# Altium PCB DB31.PcbDoc (part 2 of 8) (continued)
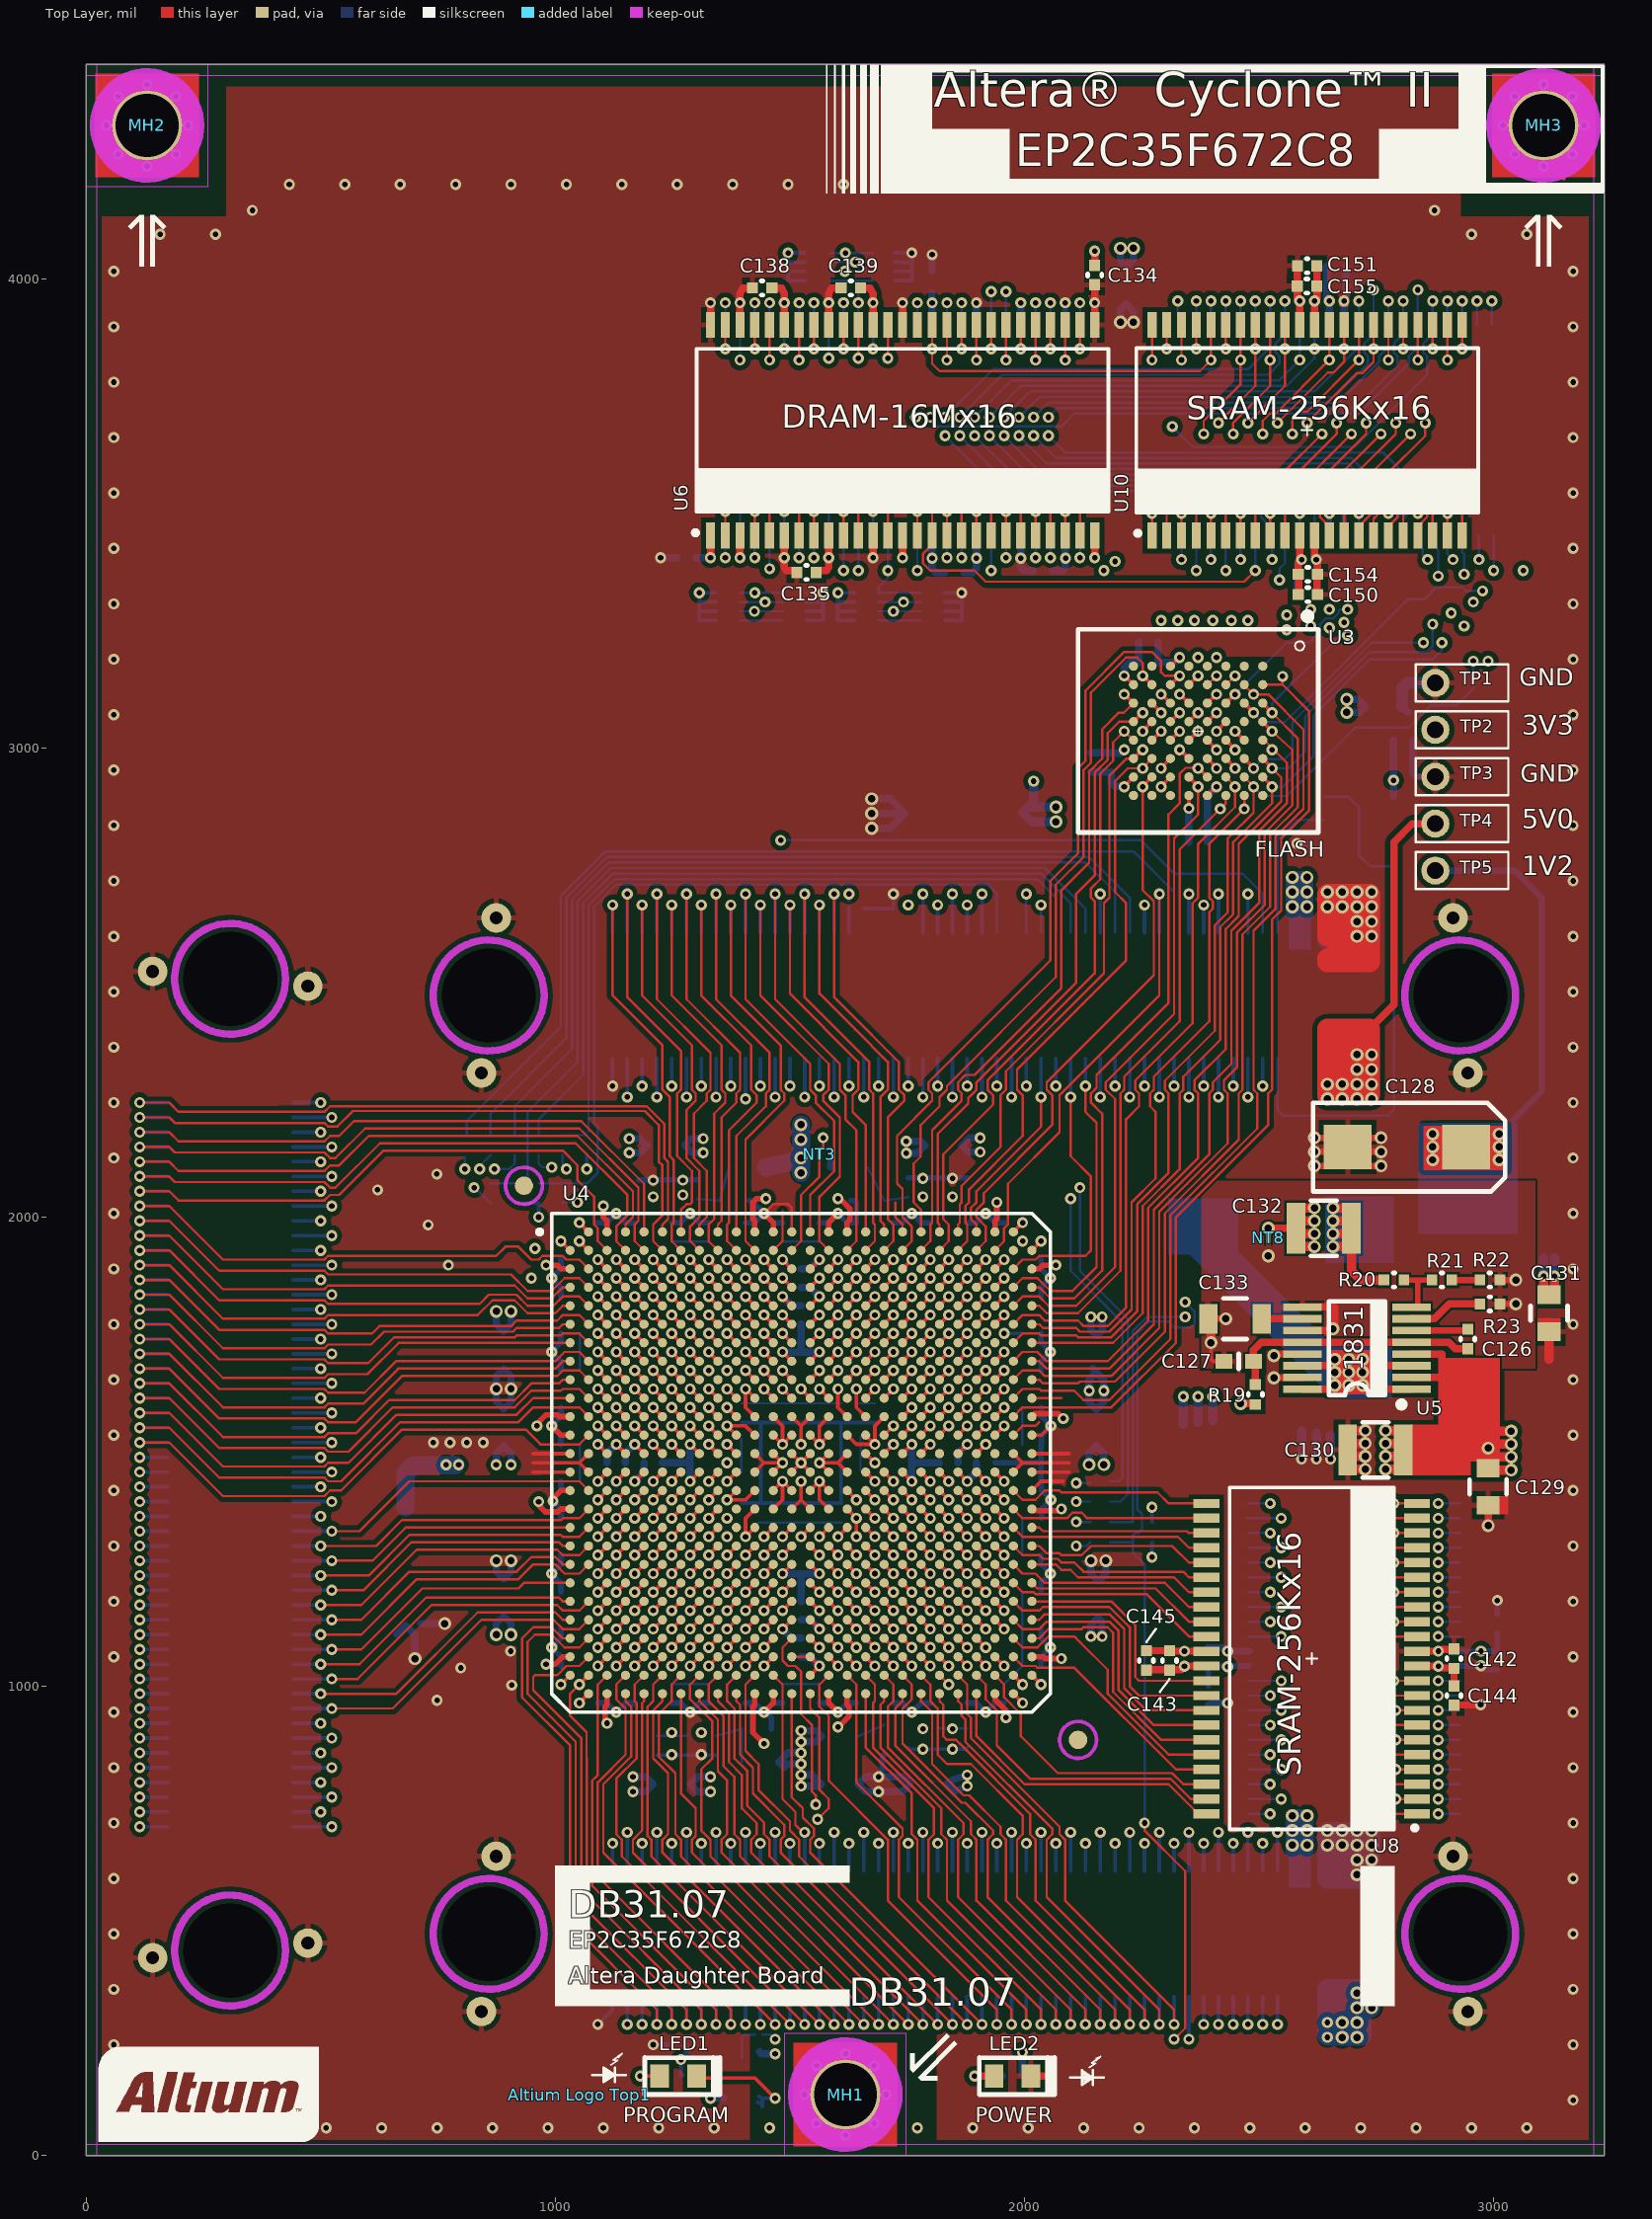
[diagram p0: Top Layer view]
## Nets (pads, with @x,y where several pads share a name; then routed paths per layer and width w, separated by ;. In a path a pad name is that pad's centre, name@x,y a point inside that pad or via, vN(x,y) a via of type N, cw(c..) or ccw(c..) an arc to the next point about the centre after c; other vN are vias at no path point) (continued)
  Bottom Layer w27.56: 2570.87,645.67 v3(2570.87,661.42) v3(2570.87,692.91) v3(2570.87,724.41) v3(2602.37,724.41) v3(2602.37,692.91) v3(2602.37,661.42) 2602.36,645.67 ; 2570.87,2645.67 v3(2570.87,2724.41) v3(2602.36,2724.41) 2602.36,2645.67 ; 2586.62,645.67 2586.62,724.41 ; 2586.61,2645.67 2586.61,2724.41
  Bottom Layer w39.37: C99.1@681.1,1381.89 681.1,1454.1 698,1471 v1@787.32,1471
  other v1: 1602.36,913.39 2341,1075 767.24,1472.44 794.02,1472.44 1940.94,2031.5 2291.34,2917.32 2409.45,2917.32 2330.71,3192.91
  other v2: 2786.42,2931.1 1582.68,3405.51 1803.15,3948.82
  other v3: 2570.87,2661.42 2602.36,2661.42 2570.87,2692.91 2602.36,2692.91
5V0: C129.1 C130.1 HDR_B1.97 HDR_B1.99 HDR_T1.97 HDR_T1.99 R19.1 TP4.1 U5.2 U5.4 | length 2295.6
  Top Layer w15.75: v3(2460.63,1602.36) 2490.62,1602.36 R19.1@2492.12,1600.86 ; 2728.35,2393.7 2787.4,2452.75 2787.4,2799.21 2826.86,2838.67 TP4.1@2875.71,2838.67 ; C130.1@2805.11,1505.9 2803.14,1503.93 C130.1@2818.89,1488.19 ; U5.2@2824.58,1658.25 2889.67,1658.25 2889.67,1708.25 U5.4@2824.58,1708.25 ; C129.1@2988.18,1464.56 v3(2988.19,1507.87)
  Top Layer w20: v3(2769.67,1462.59) C130.1@2809.04,1462.59 ; v3(2769.67,1490.15) C130.1@2809.04,1490.15 ; v3(2769.67,1517.71) C130.1@2809.04,1517.71 ; v3(2769.67,1545.27) C130.1@2809.04,1545.27 ; C129.1@2998.04,1461.1 v3(3037.41,1461.1) ; 2998.04,1488.66 v3(3037.41,1488.66) ; v3@2998.04,1516.22 v3(3037.41,1516.22) ; 2998.04,1543.78 v3(3037.41,1543.78)
  Top Layer w43.31: v3@2645.67,2259.84 2645.67,2401.58 2736.22,2401.58 2736.22,2259.84 v3@2645.67,2259.84
  Bottom Layer w43.31: 2649.61,263.78 v3@2677.17,263.78 ; v3@2716.54,255.91 2718.5,255.91 2708.66,255.91 2677.17,255.9 2645.67,255.9 2645.67,354.33 2736.22,354.33 2736.22,346.46 v3@2736.22,314.96 ; v3@2645.67,2259.84 2645.67,2354.33 2736.22,2354.33 2736.22,2346.46 2736.22,2314.96 2736.22,2283.47 2736.22,2259.84 v3@2645.67,2259.84
  other v1: 2645.67,251.97 2645.67,283.46
  other v3: 2677.17,251.97 2708.66,251.97 2677.17,283.46 2708.66,283.46 2708.66,314.96 2740.16,314.96 2708.66,346.46 2740.16,346.46 2645.67,2251.97 2677.17,2251.97 2708.66,2251.97 2740.16,2251.97 2645.67,2283.46 2677.17,2283.47 2708.66,2283.47 2740.16,2283.47 2708.66,2314.96 2740.16,2314.96 2708.66,2346.46 2740.16,2346.46
AGND: C127.2 C133.1 NT8.1 R22.2 R23.2 U5.9 U5.11 | length 426.1
  Top Layer w7.87: v3(2397.64,1732.28) 2397.64,1696.85 2401.58,1692.91 C127.2@2425.19,1692.91
  Top Layer w13.78: C133.1@2391.73,1783.46 v3(2429.13,1783.46) ; R23.2@3013.3,1814.96 v3(3047.24,1814.96) ; R22.2@3013.3,1866.14 v3(3047.24,1866.14)
  Top Layer w15.75: U5.9@2589.19,1808.68 2591.08,1808.69 2592.58,1808.69 2661.35,1808.87 2661.35,1808.76 ; U5.11@2591.08,1758.25 U5.11@2592.58,1758.25 2653.67,1758.25 v3(2657.19,1761.76) ; 2657.48,1808.76 2661.35,1808.76 ; v3@2661.35,1758.26 2661.35,1761.76 2661.35,1808.76
  Top Layer w19.68: v3(2397.64,1732.28) 2397.64,1777.55 C133.1@2391.73,1783.46 C133.1@2397.64,1789.37
  other v3: 2519.68,1917.32
BUS_A1: U3.E2 U4.F20 | length 1790.5
  Top Layer w7.87: U4.F20@1779.53,1771.65 v1(1799.22,1791.34) ; U3.E2@2350.39,3134.84 v1(2370.08,3153.55)
  MidLayer2 w5: v1(1799.22,1791.34) 1779.53,1811.02 1779.53,1866.14 1779.53,1968.52 1807.09,1996.07 1807.09,2031.49 1807.09,2039.37 1807.09,2118.11 1897.64,2208.66 2015.75,2208.66 2055.12,2248.03 2055.12,2263.78 2043.31,2275.59 2043.31,2641.73 2055.12,2653.54 2055.12,2692.91 2232.28,2870.08 2232.28,3086.61 2279.53,3133.86 2350.39,3133.86 v1(2370.08,3153.55)
BUS_A2: U3.D2 U4.M21 U6.23 U7.23 U10.1 U11.1 | length 5430.9
  Top Layer w5: U6.23@2023.62,3452.76 v2(2023.62,3503.93) ; U10.1@2271.65,3452.76 v1(2271.65,3500) ; U3.D2@2389.76,3134.84 2390.75,3134.85 v1(2409.45,3153.54)
  Top Layer w7.87: U4.M21@1818.9,1535.43 v1(1838.59,1555.12)
  MidLayer1 w5: v2(2023.62,3503.93) 2023.62,3523.62 2047.24,3547.24 2224.41,3547.24 v1(2271.65,3500)
  MidLayer2 w5: v1(1838.59,1555.12) 1858.27,1535.43 1929.14,1535.43 2078.74,1535.43 2090.55,1535.43 2133.86,1535.43 2389.76,1791.34 2389.76,2125.98 2496.06,2232.28 2496.06,2263.78 2480.31,2279.53 2480.31,2303.15 2468.5,2314.96 2468.5,2649.61 2496.06,2677.17 2496.06,2700.79 2468.5,2728.35 2468.5,2822.83 2547.24,2901.57 2547.24,3086.61 2500,3133.86 2429.13,3133.86 v1(2409.45,3153.54) 2440.94,3185.04 2830.71,3185.04 2850.39,3204.72 2921.26,3204.72 3000,3283.46 v1(3000,3377.95)
  MidLayer4 w5: v2(1456.69,3381.89) 1456.69,3500 1437.01,3519.68 1437.01,3535.43 1496.06,3594.49 1952.75,3594.49 2023.62,3523.63 v2(2023.62,3503.93) ; v1(2271.65,3500) 2271.65,3519.69 2401.57,3649.61 2937.39,3649.61 3000,3587 v1(3000,3377.95)
  Bottom Layer w5: v2(1456.69,3381.89) U7.23@1456.69,3452.76 ; v1(3000,3377.95) U11.1@3000,3452.76
BUS_A3: U3.C2 U4.M20 U6.24 U7.24 U10.2 U11.2 | length 5538.2
  Top Layer w5: U6.24@2055.12,3452.76 v2(2055.11,3527.55) ; U10.2@2303.15,3452.76 v1(2303.15,3523.62) ; U3.C2@2429.13,3134.84 2430.12,3134.85 v1(2448.82,3153.54)
  Top Layer w7.87: U4.M20@1779.53,1535.43 v1(1799.22,1555.12)
  MidLayer1 w5: v2(2055.11,3527.55) 2055.12,3507.87 2094.49,3468.5 2283.46,3468.5 2303.15,3488.19 v1(2303.15,3523.62)
  MidLayer2 w5: v1(1799.22,1555.12) 1858.27,1496.06 1913.39,1496.06 1940.95,1496.06 1956.7,1511.81 2078.74,1511.81 2090.55,1511.81 2125.98,1511.81 2401.57,1787.4 2401.57,2118.11 2519.68,2236.22 2519.68,2263.78 2527.56,2271.65 2527.56,2287.4 2480.31,2334.65 2480.31,2645.67 2507.87,2673.23 2507.87,2704.72 2480.31,2732.28 2480.31,2755.91 ; 2480.31,2744.09 2480.31,2818.9 2562.99,2901.57 2562.99,3090.55 2500,3153.54 v1(2448.82,3153.54) 2448.82,3169.29 2452.76,3173.23 2838.58,3173.23 2854.33,3188.98 2925.2,3188.98 3019.68,3283.46 3019.68,3385.83 3003.94,3401.57 v1(2968.5,3401.57)
  MidLayer4 w5: v2(1425.2,3405.51) 1425.2,3472.44 1405.51,3492.13 1405.51,3511.81 1417.32,3523.62 1417.32,3535.43 1488.19,3606.3 1976.37,3606.3 v2(2055.11,3527.55) ; v1(2303.15,3523.62) 2307.09,3523.62 2421.26,3637.8 2932.21,3637.79 2987,3583 2987,3420.07 v1(2968.5,3401.57)
  Bottom Layer w5: v2(1425.2,3405.51) U7.24@1425.2,3452.76 ; v1(2968.5,3401.57) U11.2@2968.5,3452.76
BUS_A4: U3.A2 U4.L25 U6.25 U7.25 U10.3 U11.3 | length 4788.4
  Top Layer w5: U4.L25@1976.38,1574.8 1996.07,1594.49 2078.74,1594.49 2090.55,1594.49 2185.04,1594.49 2322.83,1732.28 2322.83,2000 2519.68,2196.85 2519.68,2263.78 2527.56,2271.65 2527.56,2633.86 2547.24,2653.54 2547.24,2763.78 ; U6.25@2086.61,3452.76 v2(2086.61,3503.93) ; U10.3@2334.64,3452.76 v1(2334.64,3500) ; U3.A2@2507.87,3134.84 2550.19,3134.85 ; 2547.24,2748.03 2547.24,2807.09 2606.3,2866.14 2606.3,3078.74 2550.19,3134.85 ; v1(2550.19,3152.55) 2550.19,3134.85
  MidLayer1 w5: v1(2550.19,3152.55) 2731.29,3152.55 2937.01,3358.27 v1(2937.01,3370.08)
  MidLayer4 w5: v2(1393.7,3527.56) 1484.25,3618.11 1992.62,3618.11 2086.61,3524.12 v2(2086.61,3503.93) 2110.23,3480.32 2314.96,3480.32 v1(2334.64,3500) 2334.64,3535.43 2425.19,3625.98 2923.02,3625.98 2976,3573 2976,3441 2937.01,3402.01 v1(2937.01,3370.08)
  Bottom Layer w5: U7.25@1393.7,3452.76 v2(1393.7,3527.56) ; U11.3@2933.07,3452.76 U11.3@2933.07,3430.12 ; v1(2937.01,3370.08) 2937.01,3377.95 2937.01,3413.39 2933.07,3417.32 U11.3@2933.07,3430.12 ; U11.3@2937.01,3434.05 U11.3@2933.07,3430.12
BUS_A5: U3.B2 U4.K25 U6.26 U7.26 U10.4 U11.4 | length 4962.3
  Top Layer w5: U4.K25@1976.38,1614.17 1996.06,1633.86 2031.5,1633.86 2035.43,1629.92 2078.74,1629.92 2090.55,1629.92 2106.3,1629.92 2125.98,1610.24 2181.1,1610.24 2311.02,1740.16 2311.02,2003.94 2496.06,2188.98 2496.06,2263.78 2488.19,2271.65 2488.19,2610.24 2535.43,2657.48 2535.43,2767.72 ; U6.26@2118.11,3452.76 v2(2118.11,3527.55) ; U10.4@2366.14,3452.76 v1(2366.14,3523.62) ; U3.B2@2468.5,3134.84 2468.51,3133.86 v1(2488.19,3114.17) 2519.69,3114.17 2594.49,3039.37 2594.49,2870.08 2535.43,2811.02 2535.43,2755.91
  MidLayer1 w5: v2(2118.11,3527.55) 2165.34,3480.32 2279.53,3480.32 2291.34,3492.13 2291.34,3507.87 2281.65,3517.56 2281.65,3529.68 2299.21,3547.24 2342.52,3547.24 v1(2366.14,3523.62) ; v1(2488.19,3114.17) 2488.19,3133.86 2527.56,3173.23 2736.22,3173.23 2913.39,3350.39 v1(2913.39,3401.57)
  MidLayer4 w5: v2(1362.2,3405.51) 1362.2,3472.44 1342.52,3492.13 1342.52,3511.81 1460.63,3629.92 2015.74,3629.92 v2(2118.11,3527.55) ; v1(2366.14,3523.62) 2366.14,3535.43 2433.07,3602.36 2893.7,3602.36 2924.7,3571.36 2924.7,3524.11 2933.07,3515.75 2933.07,3421.26 v1(2913.39,3401.57)
  Bottom Layer w5: v2(1362.2,3405.51) U7.26@1362.2,3452.76 ; U11.4@2905.51,3448.82 U11.4@2901.57,3452.76 2901.57,3413.39 v1(2913.39,3401.57)
BUS_A6: U3.D3 U4.F21 U6.29 U7.29 U10.5 U11.5 | length 4761.4
  Top Layer w5: v2(2118.1,3850.39) U6.29@2118.11,3901.57 ; U10.5@2397.64,3452.76 v1(2397.64,3500)
  Top Layer w7.87: U4.F21@1818.9,1771.65 v1(1838.59,1791.34) ; U3.D3@2389.77,3095.48 v1(2409.45,3114.18)
  MidLayer1 w5: v1(2409.45,3114.18) 2425.2,3114.18 2429.13,3118.11 2429.13,3122.05 2440.94,3133.86 2472.44,3133.86 2523.62,3185.04 2732.28,3185.04 2881.89,3334.65 v1(2881.89,3366.14)
  MidLayer2 w5: v1(1838.59,1791.34) 1858.27,1811.03 1858.27,1866.14 1858.27,1968.51 1877.95,1988.19 1877.95,2031.5 1877.95,2039.37 1877.95,2055.12 2007.87,2185.04 2082.68,2185.04 2118.11,2220.47 2118.11,2263.78 2106.3,2275.59 2106.3,2291.34 2122.05,2307.09 2122.05,2645.67 2110.24,2657.48 2110.24,2673.23 2311.02,2874.02 2311.02,3082.68 2322.83,3094.49 2350.39,3094.49 2370.08,3114.18 v1(2409.45,3114.18)
  MidLayer3 w5: v2(2118.1,3850.39) 2118.11,3822.84 2397.64,3543.31 v1(2397.64,3500)
  MidLayer4 w5: v2(1362.2,3948.82) 1362.2,3885.83 1342.52,3866.14 1342.52,3842.52 1460.63,3724.41 2011.81,3724.41 2118.1,3830.7 v2(2118.1,3850.39) ; v1(2397.64,3500) 2397.64,3535.93 2440.45,3578.74 2854.33,3578.74 2866.14,3566.93 2866.14,3555.86 2889.76,3532.24 2889.76,3515.75 2881.89,3507.87 v1(2881.89,3366.14)
  Bottom Layer w5: U7.29@1362.2,3901.59 v2(1362.2,3948.82) ; U11.5@2870.08,3452.76 2870.08,3433.07 2881.89,3421.26 v1(2881.89,3366.14)
BUS_A7: U3.C3 U4.L20 U6.30 U7.30 U10.18 U11.18 | length 4996.7
  Top Layer w5: v2(2086.61,3826.77) U6.30@2086.61,3901.57 ; U10.18@2807.09,3452.76 2807.09,3496.06 2826.77,3515.75 2826.77,3535.43 v1(2846.46,3555.12)
  Top Layer w7.87: U4.L20@1779.53,1574.8 v1(1799.22,1594.49) ; U3.C3@2429.14,3095.48 v1(2448.82,3114.17)
  MidLayer2 w5: v1(1799.22,1594.49) 1818.9,1574.8 2005.91,1574.8 2061.03,1629.92 2078.74,1629.92 2090.55,1629.92 2106.3,1629.92 2377.95,1901.57 2377.95,2133.86 2456.69,2212.6 2456.69,2263.78 2468.5,2275.59 2468.5,2295.28 2456.69,2307.09 2456.69,2826.77 2507.87,2877.95 2507.87,3082.68 2496.06,3094.49 2468.5,3094.49 v1(2448.82,3114.17) ; v1(2688.98,3295.28) 2795.28,3401.57 2795.28,3484.25 2826.77,3515.75 2826.77,3535.43 v1(2846.46,3555.12)
  MidLayer3 w5: v2(2086.61,3826.77) 2086.61,3858.26 2098.43,3870.08 2125.98,3870.08 2137.8,3858.27 2137.8,3826.77 2409.45,3555.12 2409.45,3515.75 2460.63,3464.57 v2(2460.63,3401.57)
  MidLayer4 w5: v2(1393.7,3826.77) 1484.25,3736.22 1996.06,3736.22 v2(2086.61,3826.77) ; v2(2460.63,3401.57) 2519.68,3460.63 2771.65,3460.63 2826.77,3515.75 2826.77,3535.43 v1(2846.46,3555.12)
  Bottom Layer w5: v2(1393.7,3826.77) U7.30@1393.7,3901.57 ; v1(2448.82,3114.17) 2559.06,3224.41 2606.3,3224.41 2610.24,3228.35 2629.92,3248.03 2629.92,3263.78 2641.73,3275.59 2657.48,3275.59 2669.29,3287.4 2669.29,3291.34 2673.23,3295.28 v1(2688.98,3295.28) ; v2(2460.63,3401.57) U11.18@2460.63,3452.76 U11.18@2460.63,3472.44
BUS_A8: U3.A3 U4.J26 U6.31 U7.31 U10.19 U11.19 | length 4743.7
  Top Layer w5: U4.J26@2015.75,1653.54 2031.5,1653.54 2039.37,1645.67 2078.74,1645.67 2090.06,1645.67 2114.17,1645.67 2118.11,1649.61 2192.91,1649.61 2299.21,1755.91 2299.21,2007.87 2456.69,2165.35 2456.69,2263.78 2464.57,2271.65 2464.57,2602.36 2523.62,2661.42 2523.62,2814.96 2582.68,2874.02 2582.68,3019.68 v1(2527.56,3074.8) ; v2(2055.11,3850.39) U6.31@2055.12,3901.57 ; U10.19@2838.58,3452.76 2838.58,3472.44 2858.27,3492.13 2858.27,3511.81 v1(2870.08,3523.62)
  Top Layer w7.87: U3.A3@2507.88,3095.48 v1(2527.56,3074.8)
  MidLayer2 w5: v1(2688.98,3240.16) 2708.66,3240.16 2826.77,3358.27 2826.77,3366.14 2826.77,3437.01 2870.08,3480.31 v1(2870.08,3523.62)
  MidLayer3 w5: v2(2055.11,3850.39) 2055.11,3818.9 2080.55,3793.46 2123.86,3793.46 2370.08,3547.24 2385.83,3531.5 2385.83,3515.28 2385.36,3515.28 2377.95,3507.87 2377.95,3480.32 2429.13,3429.13 v1(2429.13,3377.95)
  MidLayer4 w5: v2(1425.2,3948.82) 1425.2,3885.83 1421.26,3881.89 1405.51,3866.14 1405.51,3842.52 1417.32,3830.71 1417.32,3822.83 1492.13,3748.03 1976.38,3748.03 2055.11,3826.77 v2(2055.11,3850.39) ; v1(2429.13,3377.95) 2448.82,3358.27 2511.81,3358.27 2594.49,3440.94 2811.02,3440.94 2858.27,3488.19 2858.27,3511.81 v1(2870.08,3523.62)
  Bottom Layer w5: U7.31@1425.2,3901.57 v2(1425.2,3948.82) ; v1(2429.13,3377.95) U11.19@2429.13,3452.76 ; v1(2527.56,3074.8) 2527.56,3094.49 2673.23,3240.16 v1(2688.98,3240.16)
BUS_A9: U3.B6 U4.M24 U6.32 U7.32 U10.20 U11.20 | length 5180.4
  Top Layer w5: v2(2023.62,3826.77) U6.32@2023.62,3901.57 ; U10.20@2870.08,3452.76 2870.08,3496.06 2901.57,3527.56 v1(2901.57,3562.99)
  Top Layer w7.87: U4.M24@1937.01,1535.43 v1(1956.7,1555.12) ; U3.B6@2468.5,2977.36 v1@2488.19,2957.68
  MidLayer1 w5: v1(1956.7,1555.12) 1996.07,1555.12 2039.37,1598.43 2078.74,1598.43 2090.55,1598.43 2169.29,1598.43 2200.79,1629.92 2200.79,1649.61 2299.21,1748.03 2299.21,2098.43 2457.07,2256.28 2457.07,2263.4 2456.69,2263.78 2468.5,2275.59 2468.5,2322.83 2519.68,2374.02 2519.68,2732.28 ; v1@2488.19,2957.68 2488.68,2957.19 2507.87,2938 2507.87,2937.01 2507.88,2889.75 2519.66,2877.98 2519.69,2708.66
  MidLayer3 w5: v2(2023.62,3826.77) 2066.93,3783.46 2102.36,3783.46 2122.05,3763.78 2346.46,3539.37 2346.46,3515.75 2366.14,3496.06 2366.14,3433.07 v2(2397.64,3401.57) ; v1(2850.39,3224.41) 2850.39,3362.2 2881.89,3393.7 2881.89,3507.87 2901.57,3527.56 ; 2901.57,3527.56 v1(2901.57,3562.99)
  MidLayer4 w5: v2(1456.69,3948.82) 1456.69,3854.33 1437.01,3834.65 1437.01,3818.9 1496.06,3759.84 1956.69,3759.84 v2(2023.62,3826.77) ; v2(2397.64,3401.57) 2397.64,3358.27 2429.13,3326.77 2877.95,3326.77 2905.51,3354.33 2905.51,3377.95 2893.7,3389.76 2893.7,3464.57 2921.26,3492.13 2921.26,3507.87 2913.39,3515.75 2913.39,3551.18 v1(2901.57,3562.99)
  Bottom Layer w5: U7.32@1456.69,3901.57 v2(1456.69,3948.82) ; v2(2397.64,3401.57) U11.20@2397.64,3452.76 ; v1(2488.19,2956.69) 2507.87,2976.38 2555.12,2976.38 2570.87,2992.13 2570.87,3055.12 2740.16,3224.41 v1(2850.39,3224.41)
BUS_A10: U3.A6 U4.H25 U6.33 U7.33 U10.21 U11.21 | length 4762.6
  Top Layer w5: U4.H25@1976.38,1692.91 1996.06,1712.6 2027.56,1712.6 2047.24,1692.91 2078.74,1692.91 2090.55,1692.91 2177.17,1692.91 2263.78,1779.53 2263.78,2019.69 2370.08,2125.98 2370.08,2263.78 2362.2,2271.65 2362.2,2291.34 2429.13,2358.27 2429.13,2614.17 2456.69,2641.73 2456.69,2752.14 ; v2(1992.12,3850.39) U6.33@1992.13,3901.57 ; 2456.69,2740.16 2456.69,2795.27 2547.24,2885.83 2547.24,2937.01 v1(2527.56,2956.69) v1@2527.56,2957.68 ; U10.21@2901.57,3452.76 v1(2901.57,3500)
  Top Layer w7.87: U3.A6@2507.87,2977.36 v1@2527.56,2957.68
  MidLayer2 w5: v1(2870.08,3263.78) 2870.08,3318.9 2901.57,3350.39 2901.57,3381.89 2893.7,3389.76 2893.7,3468.5 2901.57,3476.38 v1(2901.57,3500)
  MidLayer3 w5: v2(1992.12,3850.39) 1992.12,3811.03 2031.5,3771.65 2098.43,3771.65 2322.83,3547.24 2322.83,3515.75 2314.96,3507.87 2314.96,3448.82 2366.14,3397.64 v1(2366.14,3377.95)
  MidLayer4 w5: v2(1488.19,3850.39) 1488.19,3814.96 1531.5,3771.65 1937.01,3771.65 1992.12,3826.77 v2(1992.12,3850.39) ; v1(2366.14,3377.95) 2366.14,3496.06 2385.36,3515.28 2385.83,3515.28 2385.83,3540.11 2436.27,3590.55 2862.2,3590.55 2877.95,3574.8 2877.95,3559.06 2901.57,3535.43 v1(2901.57,3500)
  Bottom Layer w5: v2(1488.19,3850.39) U7.33@1488.19,3901.57 ; v1(2366.14,3377.95) U11.21@2366.14,3452.76 ; v1(2527.56,2956.69) 2562.99,2956.69 2598.43,2992.13 2598.43,3066.93 2736.22,3204.72 2858.27,3204.72 2870.08,3216.54 v1(2870.08,3263.78)
BUS_A11: U3.C6 U4.L23 U6.34 U7.34 U10.22 U11.22 | length 5084.9
  Top Layer w5: v2(1960.62,3826.77) U6.34@1960.63,3901.57 ; U10.22@2933.07,3452.76 2933.07,3519.68 v1(2944.88,3531.5)
  Top Layer w7.87: U4.L23@1897.64,1574.8 v1(1917.33,1594.49) ; U3.C6@2429.13,2977.36 v1@2448.82,2957.68
  MidLayer1 w5: v1(1917.33,1594.49) 1937.01,1614.17 1980.32,1614.17 2019.69,1653.54 2078.74,1653.54 2090.55,1653.54 2188.98,1653.54 2287.4,1751.97 2287.4,2102.36 2433.07,2248.03 2433.07,2263.78 2421.26,2275.59 2421.26,2299.21 2507.87,2385.83 2507.87,2870.08 2468.51,2909.44 2468.51,2937.99 2449.31,2957.19 v1@2448.82,2957.68
  MidLayer2 w5: v1(2937.01,3259.84) 2937.01,3338.58 2952.76,3354.33 2956.69,3358.27 2956.69,3381.89 2944.88,3393.7 v1(2944.88,3531.5)
  MidLayer3 w5: v2(1960.62,3826.77) 2027.56,3759.84 2094.49,3759.84 2279.53,3574.8 2279.53,3519.68 2291.34,3507.87 2291.34,3444.88 v2(2334.65,3401.57)
  MidLayer4 w5: v2(1519.68,3948.82) 1519.68,3854.33 1500,3834.65 1500,3818.9 1535.43,3783.46 1917.32,3783.46 v2(1960.62,3826.77) ; v2(2334.65,3401.57) 2334.65,3472.44 2354.33,3492.13 2354.33,3507.87 2346.46,3515.75 2346.46,3531.5 2429.13,3614.17 2897.64,3614.17 2944.88,3566.93 v1(2944.88,3531.5) ; v1(2448.82,2956.69) 2468.5,2976.38 2649.61,2976.38 2858.27,3185.04 2909.45,3185.04 2937.01,3212.6 v1(2937.01,3259.84)
  Bottom Layer w5: U7.34@1519.68,3901.57 v2(1519.68,3948.82) ; v2(2334.65,3401.57) U11.22@2334.65,3452.76
BUS_A12: U3.D6 U4.K24 U6.22 U7.22 U10.23 U11.23 | length 5508.6
  Top Layer w5: U6.22@1992.13,3452.76 v2(1992.12,3527.55) ; v2(2933.07,3850.39) U10.23@2933.07,3901.57
  Top Layer w7.87: U4.K24@1937.01,1614.17 v1(1956.7,1633.86) ; U3.D6@2389.76,2977.36 v1@2409.45,2957.68
  MidLayer1 w5: v1(1956.7,1633.86) 1984.25,1633.86 2019.69,1669.29 2078.74,1669.29 2090.55,1669.29 2188.98,1669.29 2259.84,1740.16 ; 2204.72,1685.04 2275.59,1755.91 2275.59,2106.3 2393.7,2224.41 2393.7,2263.78 2405.51,2275.59 2405.51,2303.15 2417.32,2314.96 2417.32,2665.35 2433.07,2681.1 2433.07,2696.85 2393.7,2736.22 2393.7,2874.02 2429.14,2909.46 2429.14,2937 v1(2409.45,2956.69) 2409.45,2957.68 v1@2409.94,2957.19
  MidLayer2 w5: v2(1992.12,3527.55) 2023.62,3559.06 2141.73,3559.06 2314.96,3732.28 2314.96,3834.64 2326.77,3846.46 v2(2326.77,3952.76) ; v2(2933.07,3850.39) 2933.07,3610.24 3043.31,3500 3043.31,3240.16 v1(2988.19,3185.04)
  MidLayer4 w5: v2(1488.19,3503.94) 1488.19,3539.37 1531.5,3582.68 1937,3582.68 v2(1992.12,3527.55) ; v2(2326.77,3952.76) 2326.77,3933.07 2334.65,3925.2 2334.65,3854.33 2354.33,3834.65 2354.33,3811.02 2370.08,3795.28 2913.39,3795.28 2933.07,3814.96 v2(2933.07,3850.39) ; v1(2409.45,2956.69) 2429.13,2937.01 2653.54,2937.01 2795.28,3078.74 2964.57,3078.74 2988.19,3102.36 v1(2988.19,3185.04)
  Bottom Layer w5: U7.22@1488.19,3452.76 v2(1488.19,3503.94) ; v2(2326.77,3952.76) 2326.77,3929.13 2334.65,3921.26 U11.23@2334.65,3901.57
BUS_A13: U3.B7 U4.G25 U6.35 U7.35 U10.24 U11.24 | length 4999
  Top Layer w5: v2(1929.13,3850.39) U6.35@1929.13,3901.57 ; U4.G25@1976.38,1732.28 1996.06,1751.97 2031.5,1751.97 2035.43,1748.03 2078.74,1748.03 2090.55,1748.03 2110.24,1748.03 2114.17,1744.09 2185.04,1744.09 2240.16,1799.21 2240.16,2027.56 2307.09,2094.49 2307.09,2263.78 2299.21,2271.65 2299.21,2290.85 2405.51,2397.14 2405.51,2622.05 2433.07,2649.61 2433.07,2756.79 ; 2433.07,2740.16 2433.07,2807.09 2488.19,2862.21 2488.19,2918.31 U3.B7@2468.5,2937.99 ; v2(2901.57,3826.77) U10.24@2901.57,3901.57
  MidLayer1 w5: v2(1929.13,3850.39) 1929.13,3913.39 2011.81,3996.06 2322.83,3996.06 v2(2366.14,3952.76)
  MidLayer2 w5: v2(2901.57,3826.77) 2913.39,3814.96 2913.39,3606.3 3031.5,3488.19 3031.5,3259.84 v1(2956.69,3185.04)
  MidLayer4 w5: v2(1551.18,3948.82) 1551.18,3881.89 1531.5,3862.2 1531.5,3842.52 1578.74,3795.28 1897.64,3795.28 1929.13,3826.77 v2(1929.13,3850.39) ; v2(2366.14,3952.76) 2421.26,4007.87 2834.65,4007.87 2858.27,3984.25 2858.27,3968.5 2850.39,3960.63 2850.39,3905.51 2889.76,3866.14 2889.76,3838.58 v2(2901.57,3826.77)
  Bottom Layer w5: U7.35@1551.18,3881.89 U7.35@1551.18,3901.57 v2(1551.18,3948.82) ; U11.24@2366.14,3901.57 v2(2366.14,3952.76) ; v1(2488.19,2917.32) 2507.87,2897.64 2559.06,2897.64 2704.72,3043.31 2818.9,3043.31 2866.14,3090.55 2921.26,3090.55 2956.69,3125.98 v1(2956.69,3185.04)
BUS_A14: U3.A7 U4.G26 U6.36 U7.36 U10.25 U11.25 | length 4618.6
  Top Layer w5: v2(1897.63,3826.77) U6.36@1897.64,3901.57 ; U4.G26@2015.75,1732.28 2078.74,1732.28 2090.55,1732.28 2188.98,1732.28 2251.97,1795.28 2251.97,2023.62 2330.71,2102.36 2330.71,2263.78 2338.58,2271.65 2338.58,2299.21 2417.32,2377.95 2417.32,2618.11 2444.88,2645.67 2444.88,2754.47 ; 2444.88,2744.09 2444.88,2799.21 2527.56,2881.89 v1(2527.56,2917.32) v1@2527.56,2918.31 ; v2(2870.08,3850.39) U10.25@2870.08,3901.57
  Top Layer w7.87: U3.A7@2507.87,2937.99 v1@2527.56,2918.31
  MidLayer1 w5: v2(1897.63,3826.77) 1897.64,3921.26 1917.32,3940.94 1917.32,3956.69 1909.45,3964.57 1909.45,3980.32 1921.26,3992.13 1988.19,3992.13 2003.94,4007.87 2342.52,4007.87 v2(2397.64,3952.76)
  MidLayer3 w5: v2(2870.08,3850.39) 2881.89,3838.58 2881.89,3814.96 2921.26,3775.59 2921.26,3555.12 2913.39,3547.24 2913.39,3515.75 2921.26,3507.87 2921.26,3444.88 2893.7,3417.32 2893.7,3389.76 2901.57,3381.89 2901.57,3354.33 2889.76,3342.52 v1(2889.76,3224.41)
  MidLayer4 w5: v2(1582.68,3830.71) 1606.3,3807.09 1877.95,3807.09 v2(1897.63,3826.77) ; v2(2397.64,3952.76) 2440.94,3996.06 2791.34,3996.06 2838.58,3948.82 2838.58,3881.89 v2(2870.08,3850.39)
  Bottom Layer w5: v2(1582.68,3830.71) U7.36@1582.68,3901.57 ; U11.25@2397.64,3901.57 v2(2397.64,3952.76) ; v1(2527.56,2917.32) 2551.18,2917.32 2616.5,2982.65 2616.5,3069.26 2736.22,3188.98 2870.08,3188.98 2889.76,3208.66 v1(2889.76,3224.41)
BUS_A15: U3.C7 U4.F25 U6.20 U7.20 U10.26 U11.26 | length 4766.8
  Top Layer w5: U6.20@1929.13,3452.76 v2(1929.13,3527.55) ; U4.F25@1976.38,1771.65 1996.06,1791.34 2031.5,1791.34 2043.31,1779.53 2078.74,1779.53 2090.55,1779.53 2114.17,1779.53 2125.98,1767.72 2177.17,1767.72 2216.54,1807.09 2216.54,2208.66 2244.09,2236.22 2244.09,2263.78 2236.22,2271.65 2236.22,2291.34 2358.27,2413.39 2358.27,2669.29 2370.08,2681.1 2370.08,2795.28 2448.82,2874.02 v1(2448.82,2917.32) 2448.82,2918.31 U3.C7@2429.13,2937.99 ; v2(2838.58,3826.77) U10.26@2838.58,3901.57
  MidLayer2 w5: v2(1929.13,3527.55) 1972.44,3570.87 2129.92,3570.87 2291.34,3732.28 2291.34,3834.65 2283.46,3842.52 2283.46,3881.89 2293.31,3891.73 2307.09,3905.51 2307.09,3960.63 2318.9,3972.44 2409.45,3972.44 v2(2429.13,3952.76) ; v1(2681.1,3267.72) 2696.85,3267.72 2811.02,3381.89 2811.02,3440.94 2858.27,3488.19 2858.27,3507.87 2850.39,3515.75 2850.39,3531.5 2866.14,3547.25 2866.14,3574.8 2846.46,3594.49 2846.46,3673.23 2834.64,3685.04 2834.64,3704.72 2838.58,3708.66 v2(2838.58,3826.77)
  MidLayer3 w5: v1(2448.82,2917.32) 2468.5,2937.01 2535.43,2937.01 2665.35,3066.93 2665.35,3244.09 2669.29,3248.03 2669.29,3255.91 v1(2681.1,3267.72)
  MidLayer4 w5: v2(1551.18,3405.51) 1551.18,3476.38 1531.5,3496.06 1531.5,3511.81 1543.31,3523.62 1543.31,3535.43 1566.93,3559.06 1897.63,3559.06 v2(1929.13,3527.55) ; v2(2429.13,3952.76) 2429.13,3929.13 2472.44,3885.83 2744.09,3885.83 2803.15,3826.77 v2(2838.58,3826.77)
  Bottom Layer w5: v2(1551.18,3405.51) U7.20@1551.18,3452.76 ; U11.26@2429.13,3901.57 v2(2429.13,3952.76)
BUS_A16: U3.D7 U4.D26 U6.21 U7.21 U10.27 U11.27 | length 4815.6
  Top Layer w5: U6.21@1960.63,3452.76 v2(1960.63,3503.93) ; U4.D26@2015.75,1850.39 2031.49,1850.39 2055.12,1826.77 2078.74,1826.77 2090.55,1826.77 2106.3,1826.77 2165.35,1885.83 2165.35,2220.47 2141.73,2244.09 2141.73,2263.78 2153.54,2275.59 2153.54,2303.15 2307.09,2456.69 2307.09,2858.27 2330.71,2881.89 2330.71,2944.88 2343.51,2957.68 v1@2370.08,2957.68 ; v2(2807.09,3850.39) U10.27@2807.09,3901.57
  Top Layer w7.87: v1@2370.08,2957.68 2370.57,2957.19 U3.D7@2389.76,2937.99
  MidLayer2 w5: v2(1960.63,3503.93) 1925.2,3503.93 1909.45,3519.68 1909.45,3535.43 1925.2,3551.18 1956.69,3582.68 2118.11,3582.68 2251.97,3716.54 2251.97,3877.95 2291.34,3917.32 2291.34,3960.63 2314.96,3984.25 2433.07,3984.25 2460.63,3956.69 v2(2460.63,3952.76) ; v1(2649.61,3295.28) 2755.91,3401.57 2755.91,3507.87 2763.78,3515.75 2763.78,3531.5 2751.97,3543.31 2751.97,3562.99 2803.15,3614.17 2803.15,3677.17 2811.02,3685.04 2811.02,3704.72 2807.09,3708.66 v2(2807.09,3850.39)
  MidLayer4 w5: v2(1519.68,3405.51) 1519.68,3500 1500,3519.68 1500,3535.43 1535.43,3570.87 1913.38,3570.87 1960.63,3523.63 v2(1960.63,3503.93) ; v1(2370.08,2956.69) 2370.08,2996.06 2350.39,3015.75 2350.39,3043.31 2362.2,3055.12 2377.95,3055.12 2389.76,3066.93 2389.76,3082.68 2401.57,3094.49 2523.62,3094.49 2629.92,3200.79 2629.92,3275.59 v1(2649.61,3295.28) ; v2(2460.63,3952.76) 2460.63,3929.13 2472.44,3917.32 2783.46,3917.32 2807.09,3893.7 v2(2807.09,3850.39)
  Bottom Layer w5: v2(1519.68,3405.51) U7.21@1519.68,3452.76 ; U11.27@2460.63,3901.57 v2(2460.63,3952.76)
BUS_A17: U3.E7 U4.E25 U10.42 U11.42 | length 3994
  Top Layer w5: U4.E25@1976.38,1811.02 1996.06,1830.71 2031.5,1830.71 2051.18,1811.02 2078.74,1811.02 2090.55,1811.02 2110.24,1811.02 2192.91,1893.7 2192.91,2251.97 2173.23,2271.65 2173.23,2287.4 2318.9,2433.07 2318.9,2807.09 2370.08,2858.27 v1(2370.08,2917.32) ; v2(2334.64,3826.77) U10.42@2334.64,3901.57
  Top Layer w7.87: U3.E7@2350.39,2937.99 v1(2370.08,2917.32)
  MidLayer3 w5: v2(2933.07,3952.76) 2933.07,3877.95 2972.44,3838.58 2972.44,3437.01 2948.82,3413.39 2948.82,3389.76 2956.69,3381.89 v1(2956.69,3311.02)
  MidLayer4 w5: v2(2334.64,3826.77) 2334.64,3807.09 2358.27,3783.46 2917.32,3783.46 2952.76,3818.9 2952.76,3885.83 2933.07,3905.51 v2(2933.07,3952.76) ; v1(2370.08,2917.32) 2389.76,2897.64 2649.61,2897.64 2740.16,2988.19 2933.07,2988.19 3007.87,3062.99 3007.87,3259.84 v1(2956.69,3311.02)
  Bottom Layer w5: U11.42@2933.07,3901.57 v2(2933.07,3952.76)
BUS_A18: U3.B3 U4.K22 U10.43 U11.43 | length 4110
  Top Layer w5: v2(2303.15,3850.39) U10.43@2303.15,3901.57 ; v1(2488.19,3074.8) v1@2488.19,3075.8
  Top Layer w7.87: U4.K22@1858.27,1614.17 v1(1877.96,1633.86) ; U3.B3@2468.5,3095.47 v1@2488.19,3075.79
  MidLayer2 w5: v1(1877.96,1633.86) 1897.64,1653.54 2078.74,1653.54 2090.55,1653.54 2114.17,1653.54 2366.14,1905.51 2366.14,2141.73 2437.01,2212.6 2437.01,2259.84 2421.26,2275.59 2421.26,2295.28 2444.88,2318.9 2444.88,2673.23 2444.88,2842.52 2448.82,2846.46 2448.82,2885.83 2468.5,2905.51 2468.5,2976.38 2468.5,3055.12 v1(2488.19,3074.8)
  MidLayer3 w5: v2(2964.57,3952.76) 2964.57,3866.14 2984.25,3846.46 2984.25,3417.32 2988.19,3413.39 2988.19,3393.7 2976.38,3381.89 v1(2976.38,3334.65)
  MidLayer4 w5: v2(2303.15,3850.39) 2303.15,3822.83 2354.33,3771.65 2921.26,3771.65 2964.57,3814.96 v2(2964.57,3952.76)
  Bottom Layer w5: v1(2488.19,3074.8) 2507.87,3055.12 2555.12,3055.12 2816.68,3316.68 2852.11,3316.68 2877.95,3342.52 2933.07,3342.52 2940.94,3334.65 v1(2976.38,3334.65) ; U11.43@2964.57,3901.57 v2(2964.57,3952.76)